# Altium PCB Booster_Main_Board.PcbDoc (part 7 of 13)
Units mm, origin at the board's own origin, x right, y up, seen from the top; angles counter-clockwise.
Board outline 400.01 x 117.51 mm, 4 copper layers (Component Side, Signal Layer 1, Power Plane, Solder Side), stack 1.604 mm thick; 1091 components, 573 nets, 3133 pads, 1954 vias.
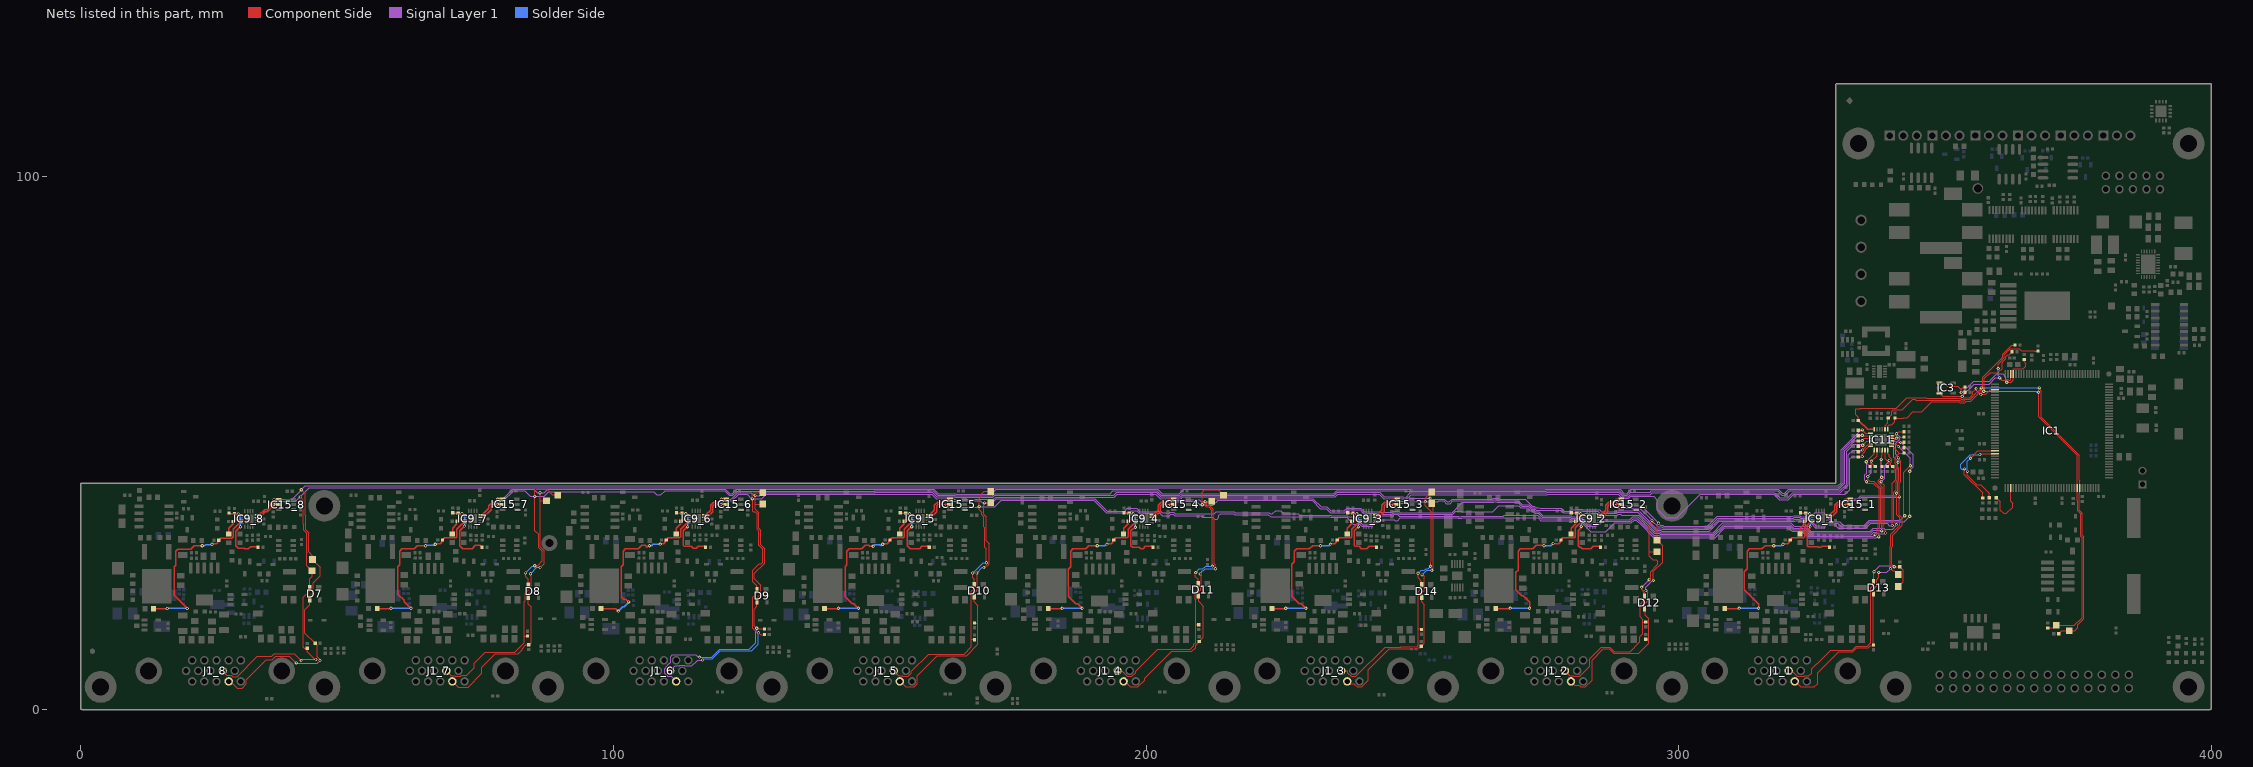
[diagram p9: the nets of this part, all layers, seen from the top]

## Via types
v1: diameter 0.6, hole 0.3, Component Side to Solder Side, tented both sides, 1808 vias
v2: diameter 0.6, hole 0.3, Component Side to Solder Side, 77 vias
v3: diameter 0.5, hole 0.3, Component Side to Solder Side, 40 vias
v4: diameter 1.27, hole 0.711, Component Side to Solder Side, tented both sides, 24 vias
v5: diameter 1.2, hole 0.8, Component Side to Solder Side, tented both sides, 5 vias

## Nets (pads, with @x,y where several pads share a name; then routed paths per layer and width w, separated by ;. In a path a pad name is that pad's centre, name@x,y a point inside that pad or via, vN(x,y) a via of type N, cw(c..) or ccw(c..) an arc to the next point about the centre after c; other vN are vias at no path point) (continued)
I2C0_SCL: C81_8.1 D7.2 IC9_8.3 IC11.2 IC15_8.5 J1_8.9 R63.1 TP3.1 | length 368.8
  Component Side w0.152: J1_8.9@26.623,7.225 27.369,6.479 28.201,6.479 28.483,6.196 29.335,6.196 33.172,10.033 35.89,10.033 36.347,10.49 40.056,10.49 v1(41.351,9.195) ; v1(41.173,39.903) 41.788,39.288 41.788,34.746 41.884,34.65 41.884,33.63 42.452,33.061 42.452,29.49 42.463,29.479 42.463,26.992 TP3.1@43.42,26.035 43.42,25.008 42.967,24.554 D7.2@42.967,22.892 42.967,22.292 41.774,21.1 41.774,11.708 41.969,11.513 C81_8.1@42.52,11.513 42.52,10.82 43.942,9.398 v1(44.145,9.398) ; R63.1@333.689,51.407 334.337,51.407 v1(334.442,51.511) 334.546,51.407 IC11.2@336.019,51.407
  Component Side w0.254: IC9_8.3@33.047,36.035 33.571,36.035 34.666,37.13 35.047,37.13 36.22,38.303 v1(36.22,38.527) 37.133,38.527 IC15_8.5@37.176,38.484
  Signal Layer 1 w0.152: v1(36.22,38.527) 36.823,39.129 40.373,39.129 42.914,41.671 329.97,41.671 330.886,42.587 330.886,48.731 333.666,51.511 v1(334.442,51.511) ; v1(41.351,9.195) 41.554,9.398 v1(44.145,9.398)
I2C0_SDA: C80_8.1 D7.3 IC9_8.4 IC11.1 IC15_8.4 J1_8.4 R61.1 TP2.1 | length 373.1
  Component Side w0.152: J1_8.4@27.272,5.245 J1_8.4@27.518,5.491 ; J1_8.4@27.764,5.245 28.162,5.245 29.403,4.004 30.264,4.004 31.079,4.819 31.079,5.628 34.811,9.36 35.97,9.36 36.593,9.983 39.116,9.983 40.335,8.763 v1(40.462,8.763) ; v1(41.402,41.25) 42.111,40.54 42.111,36.451 42.189,36.373 42.189,34.777 42.189,33.756 42.757,33.188 42.757,29.616 43.489,28.884 TP2.1@43.489,28.157 44.977,26.669 44.977,25.109 43.663,23.794 43.663,21.92 42.967,21.224 D7.3@42.967,20.592 42.967,19.663 42.079,18.776 42.079,14.334 43.971,12.442 44.364,12.049 44.364,9.927 44.907,9.384 v1(44.907,9.195) ; R61.1@333.689,52.407 334.347,52.407 v1(334.442,52.502) 335.037,51.907 IC11.1@336.019,51.907
  Component Side w0.254: IC9_8.4@33.047,36.535 33.496,36.535 34.498,37.536 34.879,37.536 35.641,38.299 35.641,38.767 36.266,39.392 v1(36.266,39.434) IC15_8.4@37.176,39.434
  Signal Layer 1 w0.152: v1(36.266,39.434) 39.656,39.434 41.402,41.18 v1(41.402,41.25) 42.128,41.975 329.844,41.975 330.479,42.611 330.479,48.755 334.226,52.502 v1(334.442,52.502) ; v1(40.462,8.763) 40.462,8.687 40.483,8.666 44.379,8.666 v1(44.907,9.195)
I2C1_SCL: C81_7.1 D8.2 IC9_7.3 IC11.4 IC15_7.5 J1_7.9 R65.1 TP7.1 | length 332.8
  Component Side w0.152: J1_7.9@68.623,7.254 69.575,6.303 70.19,6.303 70.267,6.225 71.335,6.225 71.565,6.455 72.479,6.455 73.84,7.816 73.84,8.712 75.902,10.774 81.488,10.774 83.261,12.548 83.261,13.894 ; v1(83.49,25.654) 83.49,24.968 84.013,24.445 D8.2@84.013,23.324 84.013,22.372 83.484,21.844 83.484,20.43 83.261,20.206 83.261,13.894 ; C81_7.1@83.845,13.799 83.356,13.799 83.261,13.894 ; v1(85.217,27) 85.241,27.024 85.746,27.024 86.657,27.935 86.657,29.7 85.945,30.412 85.945,32.881 85.217,33.609 v1(85.217,40.005) 85.217,41.041 85.558,41.383 87.459,41.383 88.491,40.351 TP7.1@89.228,40.351 ; R65.1@333.689,49.407 334.318,49.407 v1(334.543,49.632) 335.318,50.407 IC11.4@336.019,50.407
  Component Side w0.254: IC9_7.3@75.047,36.064 75.571,36.064 77.038,37.531 77.038,38.135 77.459,38.556 v1(78.207,38.556) 79.133,38.556 IC15_7.5@79.176,38.513
  Signal Layer 1 w0.152: v1(78.207,38.556) 78.809,39.158 79.351,39.158 81.254,41.061 83.374,41.061 84.379,40.056 87.02,40.056 87.828,40.864 107.537,40.864 108.112,40.289 108.906,40.289 109.677,41.061 120.879,41.061 121.727,40.213 122.418,40.213 123.226,41.021 149.015,41.021 149.055,41.061 160.016,41.061 160.86,40.217 164.091,40.217 164.187,40.121 171.085,40.121 171.473,40.508 193.223,40.508 193.776,41.061 202.016,41.061 202.86,40.217 206.344,40.217 206.661,40.534 235.235,40.534 235.762,41.061 248.526,41.061 248.618,40.969 249.089,40.969 249.092,40.965 275.08,40.965 275.175,41.061 288.86,41.061 289.679,40.242 290.369,40.242 290.945,40.818 294.63,40.818 294.853,41.042 318.561,41.042 319.339,40.264 320.03,40.264 320.807,41.042 330.203,41.042 331.495,42.334 331.495,48.478 332.827,49.809 334.518,49.809 334.543,49.784 v1(334.543,49.632)
  Solder Side w0.152: v1(83.49,25.654) 84.734,26.899 85.217,26.899 v1(85.217,27)
I2C1_SDA: C80_7.1 D8.3 IC9_7.4 IC11.3 IC15_7.4 J1_7.4 R64.1 TP6.1 | length 327.7
  Component Side w0.152: J1_7.4@69.764,5.274 70.834,4.204 72.728,4.204 75.315,6.79 75.315,7.893 77.851,10.429 82.108,10.429 82.86,11.181 82.86,11.446 83.573,12.159 C80_7.1@84.125,12.159 84.542,12.576 84.542,19.253 84.013,19.782 D8.3@84.013,21.024 84.013,21.783 84.542,22.312 84.542,25.39 v1(84.43,25.502) ; v1(86.208,40.691) 86.233,40.665 86.233,39.154 ; v1(86.233,26.67) 86.961,27.398 86.961,29.826 86.25,30.538 86.25,33.007 86.233,33.024 86.233,39.154 ; TP6.1@87.428,39.199 86.278,39.199 86.233,39.154 ; R64.1@333.689,50.407 334.353,50.407 v1(334.442,50.495) 334.853,50.907 IC11.3@336.019,50.907
  Component Side w0.254: IC9_7.4@75.047,36.564 75.367,36.564 76.632,37.829 76.632,38.303 77.291,38.962 77.765,38.962 v1(78.266,39.463) IC15_7.4@79.176,39.463
  Signal Layer 1 w0.152: v1(78.266,39.463) 79.225,39.463 81.128,41.366 85.025,41.366 85.7,40.691 v1(86.208,40.691) 86.995,40.691 87.67,41.366 121.005,41.366 121.853,40.518 122.291,40.518 123.139,41.366 160.142,41.366 160.986,40.521 164.217,40.521 164.313,40.425 170.959,40.425 171.88,41.346 191.637,41.346 191.656,41.366 202.142,41.366 202.986,40.521 206.217,40.521 207.047,41.351 233.618,41.351 233.633,41.366 249.588,41.366 249.68,41.274 274.957,41.274 275.049,41.366 288.986,41.366 289.805,40.547 290.243,40.547 291.042,41.346 318.688,41.346 319.465,40.569 319.903,40.569 320.681,41.346 330.077,41.346 331.191,42.46 331.191,48.604 333.082,50.495 v1(334.442,50.495)
  Solder Side w0.152: v1(84.43,25.502) 84.466,25.502 85.634,26.67 v1(86.233,26.67)
I2C2_SCL: C81_6.1 D9.2 IC9_6.3 IC11.6 IC15_6.5 J1_6.9 R70.1 TP9.1 | length 293.2
  Component Side w0.152: TP9.1@128.016,40.716 127.995,40.737 126.323,40.737 126.06,40.474 v1(126.06,39.548) 126.173,39.435 126.173,37.194 126.274,37.093 126.637,37.093 126.957,36.773 126.957,33.889 127.254,33.591 127.254,30.888 128.057,30.086 128.057,27.635 127.747,27.325 127.334,27.325 126.145,26.137 126.145,23.995 126.939,23.2 D9.2@126.939,22.511 126.939,21.911 126.145,21.117 126.145,15.271 126.964,14.453 v1(127.229,14.453) 127.61,14.072 C81_6.1@128.353,14.072 ; R70.1@333.689,47.407 333.781,47.498 v1(334.467,47.498) 334.467,47.919 335.047,48.498 335.047,48.738 335.715,49.407 IC11.6@336.019,49.407
  Component Side w0.254: IC9_6.3@117.047,36.064 117.571,36.064 118.666,37.159 118.666,38.207 119.015,38.556 v1(120.193,38.556) 121.133,38.556 IC15_6.5@121.176,38.513
  Signal Layer 1 w0.152: J1_6.9@110.623,7.254 111.575,8.205 112.406,8.205 112.483,8.283 113.335,8.283 113.412,8.205 114.708,8.205 115.799,9.296 v1(116.725,9.296) ; v1(120.193,38.556) 120.795,39.158 122.225,39.158 123.478,40.411 125.095,40.411 125.984,39.522 v1@126.06,39.522 ; v1(126.06,39.548) 127.838,39.548 128.702,40.411 149.267,40.411 149.307,40.451 159.763,40.451 160.607,39.607 163.839,39.607 163.935,39.511 171.338,39.511 171.725,39.899 194.037,39.899 194.59,40.451 201.763,40.451 202.607,39.607 206.596,39.607 206.913,39.924 235.487,39.924 236.015,40.451 243.763,40.451 244.607,39.607 248.054,39.607 248.181,39.48 248.871,39.48 249.748,40.356 275.332,40.356 275.428,40.451 288.607,40.451 289.426,39.632 290.622,39.632 290.989,40 295.299,40 295.997,39.303 295.997,37.609 297.58,36.025 299.651,36.025 304.058,40.432 317.807,40.432 318.869,39.37 320.508,39.37 321.57,40.432 331.283,40.432 332.105,41.254 332.105,47.066 332.537,47.498 v1(334.467,47.498)
  Solder Side w0.152: v1(116.725,9.296) 116.978,9.549 118.562,9.549 120.046,11.033 125.993,11.033 127.229,12.268 v1(127.229,14.453)
I2C2_SDA: C80_6.1 D9.3 IC9_6.4 IC11.5 IC15_6.4 J1_6.4 R68.1 TP8.1 | length 291.4
  Component Side w0.152: v1(126.594,40.208) 126.594,38.554 ; TP8.1@128.028,38.575 126.614,38.575 126.594,38.554 ; C80_6.1@128.353,15.138 127.025,15.138 v1(126.898,15.265) 126.45,15.714 126.45,18.872 126.939,19.362 D9.3@126.939,20.211 126.939,20.919 127.635,21.615 127.635,23.368 126.45,24.553 126.45,25.597 128.361,27.509 128.361,30.212 127.608,30.965 127.608,33.669 127.261,34.015 127.261,36.899 126.594,37.567 126.594,38.554 ; R68.1@333.689,48.407 334.207,48.407 v1(334.518,48.717) 334.518,48.741 335.684,49.907 IC11.5@336.019,49.907
  Component Side w0.254: IC9_6.4@117.047,36.564 117.367,36.564 118.26,37.457 118.26,38.375 118.847,38.962 119.765,38.962 120.266,39.463 v1(120.286,39.463) IC15_6.4@121.176,39.463
  Signal Layer 1 w0.152: J1_6.4@111.764,5.274 110.813,6.225 110.197,6.225 109.595,6.828 109.595,7.68 110.197,8.283 110.197,8.382 110.736,8.92 110.736,9.924 111.074,10.263 115.47,10.263 115.878,9.854 v1(116.128,9.854) ; v1(120.286,39.463) 122.099,39.463 123.352,40.716 125.857,40.716 v1@126.39,40.183 ; v1@126.594,40.183 127.483,40.183 128.016,40.716 149.141,40.716 149.181,40.756 159.889,40.756 160.734,39.912 163.965,39.912 164.061,39.816 171.211,39.816 171.599,40.203 193.911,40.203 194.463,40.756 201.889,40.756 202.734,39.912 206.47,39.912 206.787,40.229 235.361,40.229 235.888,40.756 243.889,40.756 244.734,39.912 248.18,39.912 248.307,39.784 248.745,39.784 249.621,40.661 275.206,40.661 275.301,40.756 288.733,40.756 289.552,39.937 290.495,39.937 290.863,40.305 294.63,40.305 295.061,40.737 317.934,40.737 318.945,39.726 320.433,39.726 321.444,40.737 330.329,40.737 331.8,42.208 331.8,47.803 332.715,48.717 v1(334.518,48.717)
  Solder Side w0.152: v1(116.128,9.854) 118.436,9.854 119.919,11.338 125.536,11.338 126.7,12.502 126.7,14.672 126.898,14.87 v1(126.898,15.265)
I2C2a_SCL: IC1.69 IC3.1 R36.2 R131.1 | length 24.6
  Component Side w0.152: IC3.1@348.923,61.326 349.781,61.326 350.386,60.721 352.359,60.721 353.009,60.071 ; v1(353.009,59.538) 353.009,60.071 ; R36.2@353.758,60.427 353.333,60.427 353.009,60.102 353.009,60.071 ; v1(361.569,61.443) 362.382,61.443 362.803,61.863 IC1.69@362.803,62.999 362.818,63.014 362.818,63.909 362.907,63.999 364.673,63.999 365.167,64.493 365.167,64.955 364.866,65.256 R131.1@364.866,65.748
  Signal Layer 1 w0.152: v1(353.009,59.538) 353.21,59.538 355.348,61.676 358.384,61.676 358.694,61.986 358.694,61.997 359.696,62.999 360.8,62.999 361.417,62.382 361.417,61.595 v1(361.569,61.443)
I2C2a_SDA: IC1.70 IC3.3 R41.2 R130.1 | length 29.6
  Component Side w0.152: IC3.3@348.923,59.426 349.134,59.426 349.358,59.202 349.358,58.992 349.574,58.776 v1(353.212,58.776) 353.212,58.866 353.758,59.412 R41.2@353.758,59.487 ; v1(359.963,63.999) 359.963,64.808 360.736,65.58 360.736,65.645 361.09,65.999 361.09,66.591 362.205,67.706 363.914,67.706 364.262,67.359 366.824,67.359 366.873,67.31 R130.1@367.449,67.31 ; v1(360.248,62.255) 360.68,61.824 361.202,61.824 361.35,61.971 361.788,61.971 361.936,61.824 362.255,61.824 362.303,61.871 IC1.70@362.303,62.999
  Signal Layer 1 w0.152: v1(353.212,58.776) 353.212,58.866 355.459,61.112 358.252,61.112 359.395,62.255 v1(360.248,62.255)
  Solder Side w0.152: v1(359.963,63.999) 359.963,62.662 360.248,62.377 v1(360.248,62.255)
I2C3_SCL: C81_5.1 D10.2 IC9_5.3 IC11.8 IC15_5.5 J1_5.9 R72.1 TP11.1 | length 262.5
  Component Side w0.152: J1_5.9@152.623,7.254 153.575,6.303 154.19,6.303 154.267,6.225 155.335,6.225 155.938,6.828 155.938,7.159 159.205,10.425 165.823,10.425 167.203,11.806 167.203,13.183 ; v1(167.462,25.629) 167.462,24.765 167.731,24.496 D10.2@167.731,23.477 167.731,22.697 167.203,22.169 167.203,13.183 ; C81_5.1@167.792,13.164 167.221,13.164 167.203,13.183 ; v1(170.028,27.554) 170.028,30.173 169.695,30.506 169.695,34.204 169.563,34.336 169.563,36.173 169.123,36.612 169.123,37.077 168.669,37.532 v1(168.669,38.138) 168.669,39.562 169.086,39.979 169.086,40.397 169.643,40.954 TP11.1@170.828,40.954 ; v1(335.478,43.754) 335.478,43.252 335.895,42.835 336.635,42.835 337.922,41.549 337.922,35.036 337.774,34.888 337.774,33.925 337.596,33.747 337.596,32.466 v1(337.541,32.41) ; R72.1@336.91,45.619 336.169,46.36 v1(336.169,46.634) 337.219,47.685 IC11.8@337.219,48.707
  Component Side w0.254: IC9_5.3@159.047,36.064 159.571,36.064 160.666,37.159 160.666,38.207 161.015,38.556 161.666,38.556 161.736,38.486 v1@162.052,38.486 ; 162.286,38.556 163.133,38.556 IC15_5.5@163.176,38.513
  Signal Layer 1 w0.152: v1@162.052,38.413 162.481,37.984 168.394,37.984 168.484,38.075 171.602,38.075 172.817,39.289 190.193,39.289 192.551,36.932 196.992,36.932 197.347,37.286 198.249,37.286 198.671,36.864 202.026,36.864 202.043,36.881 202.598,36.881 203.058,36.421 204.381,36.421 204.662,36.702 205.1,36.702 205.381,36.421 210.283,36.421 210.597,36.107 212.528,36.107 212.909,35.725 213.347,35.725 213.678,36.057 213.678,36.451 214.009,36.783 216.447,36.783 216.636,36.594 222.96,36.594 223.36,36.193 234.498,36.193 234.628,36.063 237.631,36.063 238.876,34.819 240.071,34.819 240.524,34.366 241.442,34.366 241.488,34.412 242.179,34.412 242.182,34.409 242.434,34.409 243.67,35.645 246.59,35.645 246.759,35.475 247.197,35.475 247.683,35.962 258.517,35.962 258.613,35.866 259.303,35.866 259.399,35.962 273.59,35.962 274.073,35.479 279.39,35.479 279.555,35.314 281.511,35.314 283.471,33.355 286.313,33.355 287.994,35.035 291.081,35.035 291.607,35.56 291.959,35.56 291.975,35.544 292.061,35.544 292.925,34.68 292.925,34.654 295.135,32.444 296.093,32.444 296.279,32.258 305.772,32.258 305.797,32.282 306.827,32.282 308.656,34.111 320.687,34.111 321.327,33.471 323.061,33.471 324.3,32.231 337.042,32.231 337.136,32.325 337.455,32.325 v1(337.541,32.41) ; v1(335.478,43.754) 336.169,44.445 v1(336.169,46.634)
  Solder Side w0.152: v1(167.462,25.629) 169.388,27.554 v1(170.028,27.554)
  other v1: 162.052,38.303
I2C3_SDA: C80_5.1 D10.3 IC9_5.4 IC11.7 IC15_5.4 J1_5.4 R71.1 TP10.1 | length 260.8
  Component Side w0.152: J1_5.4@153.272,5.274 J1_5.4@153.764,5.274 153.858,5.274 154.887,4.245 156.476,4.245 157.079,4.848 157.079,6.381 160.819,10.121 166.305,10.121 168.427,12.243 168.427,16.154 ; C80_5.1@167.792,16.198 168.384,16.198 168.427,16.154 ; v1(168.224,25.629) 168.26,25.593 168.26,22.413 167.731,21.885 D10.3@167.731,21.177 167.742,21.166 167.742,20.203 168.427,19.518 168.427,16.154 ; v1(169.545,26.645) 169.926,27.025 170.247,27.025 170.556,27.335 170.556,31.102 170,31.659 170,36.167 169.545,36.622 169.545,38.659 v1(169.672,38.786) 169.697,38.811 TP10.1@170.828,38.811 ; v1(335.228,42.754) 335.452,42.53 336.509,42.53 337.617,41.422 337.617,35.162 337.469,35.015 337.469,34.051 337.291,33.873 337.291,33.228 v1(336.855,32.791) ; R71.1@335.91,45.619 335.204,46.325 v1(335.204,46.533) 336.719,48.048 IC11.7@336.719,48.707
  Component Side w0.254: IC9_5.4@159.047,36.564 159.367,36.564 160.26,37.457 160.26,38.375 160.847,38.962 v1@161.765,38.962 ; v1(161.976,39.065) 161.976,39.167 161.973,39.17 162.266,39.463 IC15_5.4@163.176,39.463
  Signal Layer 1 w0.152: v1(161.976,39.065) 165.413,39.065 165.554,39.206 168.871,39.206 169.266,38.811 169.672,38.811 171.069,38.811 171.852,39.594 190.352,39.594 192.71,37.236 195.986,37.236 196.494,37.744 198.222,37.744 198.797,37.169 201.899,37.169 201.916,37.186 202.724,37.186 203.011,36.898 203.728,36.898 203.901,36.725 204.254,36.725 204.536,37.007 205.226,37.007 205.507,36.725 210.409,36.725 212.818,36.725 213.18,37.087 216.573,37.087 216.762,36.898 223.086,36.898 223.259,36.725 223.725,36.725 224.323,37.324 225.242,37.324 225.812,36.754 228.54,36.754 228.795,36.498 234.625,36.498 234.755,36.368 237.758,36.368 237.897,36.229 239.092,36.229 240.65,34.671 241.316,34.671 241.362,34.717 242.305,34.717 242.308,34.714 243.224,35.629 243.224,35.789 243.829,36.394 246.354,36.394 246.604,36.644 247.157,36.644 247.535,36.266 258.643,36.266 258.739,36.171 259.177,36.171 259.273,36.266 267.025,36.266 267.208,36.449 273.534,36.449 274.199,35.784 279.517,35.784 279.681,35.619 281.637,35.619 282.111,35.146 282.865,34.392 284.469,34.392 284.794,34.717 285.059,34.717 285.681,35.34 290.955,35.34 291.48,35.865 292.085,35.865 292.102,35.849 292.187,35.849 293.23,34.806 293.23,34.78 295.261,32.749 296.219,32.749 296.381,32.587 306.701,32.587 308.529,34.416 320.813,34.416 321.453,33.776 323.187,33.776 324.427,32.536 336.478,32.536 336.734,32.791 v1(336.855,32.791) ; v1(335.204,46.533) 335.275,46.461 335.275,44.383 334.949,44.057 334.949,43.033 v1(335.228,42.754)
  Solder Side w0.152: v1(168.224,25.629) 169.266,26.67 169.291,26.645 v1(169.545,26.645)
I2C4_SCL: C81_4.1 D11.2 IC9_4.3 IC11.11 IC15_4.5 J1_4.9 R74.1 TP13.1 | length 223.5
  Component Side w0.152: J1_4.9@194.623,7.254 194.689,7.188 195.52,7.188 196.483,6.225 197.335,6.225 198.062,6.952 198.062,7.188 202.176,11.303 208.28,11.303 208.978,12.002 208.978,12.211 209.321,12.554 209.321,15.977 ; v1(209.321,25.705) 209.265,25.649 209.265,24.974 209.794,24.445 D11.2@209.794,23.604 209.794,22.55 209.265,22.022 209.265,20.709 209.321,20.653 209.321,15.977 ; C81_4.1@209.88,15.944 209.354,15.944 209.321,15.977 ; v1@210.528,38.532 210.528,40.832 210.923,41.227 213.535,41.227 TP13.1@214.228,40.534 ; v1@210.689,38.615 211.271,38.033 211.713,38.033 212.294,37.451 212.294,35.909 212.446,35.758 v1(212.446,26.924) ; v1@337.922,42.978 337.885,42.978 337.754,42.847 338.531,42.07 338.531,34.784 338.384,34.636 338.384,34.057 338.811,33.63 v1(338.811,33.147) ; IC11.11@338.719,48.707 338.719,47.107 339.16,46.666 339.249,46.754 v1(339.478,46.754) 339.478,45.936 R74.1@339.16,45.619
  Component Side w0.254: IC9_4.3@201.047,36.064 201.571,36.064 201.648,36.141 201.648,36.244 202.238,36.833 202.341,36.833 202.666,37.159 202.666,38.207 203.015,38.556 203.652,38.556 203.905,38.303 v1(204.191,38.303) 204.443,38.556 205.133,38.556 IC15_4.5@205.176,38.513
  Signal Layer 1 w0.152: v1@204.202,38.486 204.424,38.486 204.936,38.997 206.849,38.997 206.934,39.083 209.406,39.083 210.034,38.454 v1(210.528,38.454) 211.078,38.454 211.203,38.329 212.547,38.329 213.533,39.314 231.154,39.314 232.738,37.73 233.823,37.73 234.563,36.991 237.32,36.991 237.845,37.516 240.158,37.516 240.81,36.864 243.773,36.864 243.938,36.699 246.228,36.699 246.478,36.949 247.283,36.949 247.562,36.671 257.553,36.671 258.11,37.228 259.177,37.228 259.236,37.169 265.046,37.169 266.176,38.298 269.921,38.298 270.369,37.851 271.588,37.851 272.16,37.279 272.526,37.279 272.966,36.84 273.575,36.84 274.326,36.089 279.643,36.089 279.807,35.924 281.763,35.924 282.991,34.696 284.343,34.696 284.668,35.022 284.932,35.022 285.555,35.645 290.829,35.645 291.354,36.17 292.212,36.17 292.228,36.154 292.313,36.154 293.535,34.932 293.535,34.906 295.387,33.054 296.345,33.054 296.507,32.892 306.574,32.892 308.403,34.721 320.94,34.721 321.579,34.081 323.364,34.081 323.525,33.92 323.525,33.869 324.553,32.841 336.157,32.841 336.636,33.32 337.074,33.32 337.394,32.999 338.663,32.999 v1(338.811,33.147) ; v1(337.978,42.754) 338.015,42.754 338.653,43.393 338.653,45.772 339.478,46.597 v1(339.478,46.754)
  Solder Side w0.152: v1(209.321,25.705) 210.002,26.385 210.637,26.385 211.176,26.924 v1(212.446,26.924)
I2C4_SDA: C80_4.1 D11.3 IC9_4.4 IC11.10 IC15_4.4 J1_4.4 R73.1 TP12.1 | length 216.5
  Component Side w0.152: J1_4.4@195.272,5.274 J1_4.4@195.764,5.274 195.983,5.274 197.012,4.245 198.476,4.245 199.732,5.501 199.732,5.879 204.8,10.947 208.585,10.947 209.283,11.646 209.283,12.085 C80_4.1@209.956,12.758 210,12.758 210.769,13.528 210.769,19.431 209.906,20.295 209.906,21.192 D11.3@209.794,21.304 209.794,22.004 210.244,22.454 210.244,22.781 210.322,22.86 210.322,25.114 210.21,25.226 210.21,25.371 v1(210.128,25.454) ; TP12.1@212.339,39.09 212.263,39.014 v1(211.074,39.014) 211.074,38.893 211.375,38.592 211.375,38.46 211.498,38.337 211.839,38.337 212.599,37.577 212.599,36.035 212.75,35.884 212.75,27.367 212.974,27.143 212.974,26.705 212.95,26.68 212.95,26.496 v1(213.03,26.416) ; v1(338.125,33.528) 338.079,33.574 338.079,34.762 338.226,34.91 338.226,41.758 337.45,42.535 337.45,42.973 337.759,43.283 337.796,43.283 v1(338.125,43.612) ; R73.1@338.16,45.619 338.219,45.677 337.947,45.95 337.998,46 v1(337.998,46.965) 338.098,47.065 338.098,47.701 338.219,47.823 IC11.10@338.219,48.707
  Component Side w0.254: IC9_4.4@201.047,36.564 201.367,36.564 202.26,37.457 202.26,38.375 202.847,38.962 v1@203.765,38.962 ; v1(203.962,39.065) 203.962,39.159 204.266,39.463 IC15_4.4@205.176,39.463
  Signal Layer 1 w0.152: v1(203.962,39.065) 204.199,39.302 206.722,39.302 206.807,39.387 210.015,39.387 210.363,39.04 v1@210.82,39.04 ; v1@211.074,39.04 212.044,39.04 212.623,39.619 231.28,39.619 232.864,38.035 233.95,38.035 234.689,37.296 237.194,37.296 237.719,37.821 240.284,37.821 240.936,37.169 243.899,37.169 244.064,37.004 246.102,37.004 246.352,37.254 247.41,37.254 247.688,36.975 257.427,36.975 259.346,38.894 265.248,38.894 265.389,39.035 265.827,39.035 265.967,38.894 269.756,38.894 270.495,38.156 271.714,38.156 272.286,37.584 272.652,37.584 273.092,37.144 273.701,37.144 274.452,36.393 279.769,36.393 279.934,36.229 281.785,36.229 282.094,36.538 282.094,36.603 282.385,36.894 284.695,36.894 285.09,36.5 288.46,36.5 288.662,36.702 289.1,36.702 289.327,36.475 292.338,36.475 292.354,36.458 292.462,36.458 293.839,35.081 293.839,35.032 295.514,33.358 296.472,33.358 296.633,33.197 306.448,33.197 308.277,35.025 321.066,35.025 321.706,34.386 323.49,34.386 323.829,34.046 323.829,33.996 324.679,33.146 336.031,33.146 336.51,33.625 338.028,33.625 v1(338.125,33.528) ; v1(337.998,46.965) 337.998,43.739 v1(338.125,43.612)
  Solder Side w0.152: v1(210.128,25.454) 210.128,25.575 210.429,25.876 210.429,25.949 210.56,26.08 210.764,26.08 211.079,26.395 212.665,26.395 212.685,26.416 v1(213.03,26.416)
I2C5_SCL: C81_3.1 D14.2 IC9_3.3 IC11.13 IC15_3.5 J1_3.9 R76.1 TP15.1 | length 174.5
  Component Side w0.152: J1_3.9@236.623,7.254 237.862,7.254 237.881,7.236 237.881,6.828 238.483,6.225 239.335,6.225 244.849,11.74 247.79,11.74 247.825,11.774 250.766,11.774 251.074,12.083 251.074,15.138 ; v1(251.045,25.603) 251.045,24.698 251.663,24.079 251.663,23.4 251.663,22.734 251.074,22.145 251.074,15.138 ; C81_3.1@251.689,15.03 251.58,15.138 251.074,15.138 ; v1(253.418,26.909) 253.418,27.656 253.576,27.815 253.576,37.135 252.425,38.286 v1(252.425,39.042) 252.425,39.678 253.565,40.818 TP15.1@253.628,40.818 TP15.1@253.963,40.818 ; IC11.13@339.919,49.407 340.153,49.407 341.403,48.157 ; v1(340.868,34.722) 340.365,35.225 340.365,40.808 340.783,41.226 340.783,42.796 341.033,43.046 341.033,45.16 340.783,45.41 340.783,45.997 340.619,46.161 340.619,47.372 341.403,48.157 ; R76.1@342.249,48.157 341.403,48.157
  Component Side w0.254: IC9_3.3@243.047,36.064 243.571,36.064 244.666,37.159 244.666,38.207 245.015,38.556 245.74,38.556 v1@245.81,38.486 ; v1(246.024,38.303) 246.107,38.303 246.36,38.556 247.133,38.556 IC15_3.5@247.176,38.513
  Signal Layer 1 w0.152: v1(246.024,38.303) 246.035,38.303 246.493,38.76 249.014,38.76 249.295,39.042 v1(252.425,39.042) 254.737,39.042 254.894,39.199 255.854,39.199 256.383,38.671 257.073,38.671 257.602,39.199 265.122,39.199 265.263,39.34 265.953,39.34 266.094,39.199 269.882,39.199 270.621,38.46 271.841,38.46 272.412,37.889 272.778,37.889 273.218,37.449 277.852,37.449 278.352,36.949 281.01,36.949 281.347,37.286 281.785,37.286 281.871,37.199 284.821,37.199 285.157,36.864 288.393,36.864 288.536,37.007 292.345,37.007 294.144,35.207 294.144,35.159 295.64,33.663 296.598,33.663 296.76,33.501 305.766,33.501 307.576,35.311 308.131,35.311 308.151,35.33 321.806,35.33 321.929,35.454 322.367,35.454 322.515,35.306 323.127,35.306 324.134,34.299 324.134,34.122 324.805,33.451 335.904,33.451 336.51,34.057 338.525,34.057 338.693,33.888 340.198,33.888 340.868,34.558 v1(340.868,34.722)
  Solder Side w0.152: v1(251.045,25.603) 251.155,25.603 251.667,26.114 252.241,26.114 252.588,26.461 252.97,26.461 v1(253.418,26.909)
I2C5_SDA: C80_3.1 D14.3 IC9_3.4 IC11.12 IC15_3.4 J1_3.4 R75.1 TP14.1 | length 170.9
  Component Side w0.152: J1_3.4@237.764,5.274 238.19,4.848 239.022,4.848 239.624,4.245 240.476,4.245 241.732,5.501 241.732,7.442 245.664,11.374 250.797,11.374 251.058,11.635 251.473,11.635 251.685,11.847 251.685,11.891 252.025,12.23 252.068,12.23 252.258,12.42 252.258,19.7 251.729,20.229 D14.3@251.729,21.1 251.729,21.8 252.258,22.329 252.258,25.009 251.892,25.375 v1(251.79,25.273) ; v1(253.314,39.67) 253.314,38.735 253.337,38.735 253.946,38.125 253.946,26.489 v1@253.637,26.179 ; IC11.12@339.219,48.707 339.219,48.004 339.478,47.745 339.478,47.502 340.007,46.973 340.007,46.535 339.783,46.311 339.783,45.892 340.478,45.197 340.565,45.197 340.728,45.034 340.728,43.172 340.06,42.504 340.06,34.59 v1(340.106,34.544)
  Component Side w0.254: IC9_3.4@243.047,36.564 243.367,36.564 244.26,37.457 244.26,38.375 244.847,38.962 245.765,38.962 v1@245.921,39.118 ; v1(246.05,39.065) 245.974,39.065 v1@245.921,39.118 ; IC15_3.4@247.176,39.463 246.266,39.463 v1@245.921,39.118
  Signal Layer 1 w0.152: v1(246.05,39.065) 248.888,39.065 249.493,39.67 v1(253.314,39.67) 253.48,39.504 255.981,39.504 256.509,38.975 256.947,38.975 257.476,39.504 264.996,39.504 265.136,39.645 266.079,39.645 266.22,39.504 270.608,39.504 270.621,39.518 271.215,39.518 272.538,38.194 272.905,38.194 273.214,37.884 273.823,37.884 273.953,37.754 277.978,37.754 278.478,37.254 279.478,37.254 279.728,37.504 281.134,37.504 281.22,37.591 281.911,37.591 281.998,37.504 285.126,37.504 285.461,37.169 288.267,37.169 288.409,37.311 292.471,37.311 294.449,35.334 294.449,35.285 295.766,33.968 296.724,33.968 296.886,33.806 305.64,33.806 307.469,35.635 321.68,35.635 321.803,35.758 322.493,35.758 322.641,35.611 324.191,35.611 324.934,34.868 324.934,34.843 325.601,34.176 327.303,34.176 327.802,34.674 329.308,34.674 329.985,33.997 335.066,33.997 336.015,34.946 339.131,34.946 339.533,34.544 v1(340.106,34.544)
  Solder Side w0.152: v1(251.79,25.273) 251.831,25.273 252.715,26.156 v1(253.659,26.156)
I2C6_SCL: C81_2.1 D12.2 IC9_2.3 IC11.15 IC15_2.5 J1_2.9 R78.1 TP18.1 | length 130.1
  Component Side w0.152: J1_2.9@278.623,7.254 279.575,6.303 280.19,6.303 280.267,6.225 281.4,6.225 283.278,8.104 283.278,9.499 285.463,11.684 287.087,11.684 287.925,10.846 290.847,10.846 292.72,12.719 292.704,12.734 292.704,13.676 293.263,14.235 293.263,15.931 293.268,15.936 293.268,16.408 ; v1(293.045,22.985) 293.045,22.601 293.299,22.347 293.299,22.135 293.538,21.896 D12.2@293.538,21.241 293.538,20.578 292.728,19.768 292.728,17.444 293.268,16.904 293.268,16.408 ; C81_2.1@293.802,16.427 293.287,16.427 293.268,16.408 ; v1(294.428,24.354) 294.75,24.676 294.75,25.896 296.096,27.242 296.096,27.793 295.787,28.103 295.147,28.103 294.482,28.768 294.482,29.607 ; v1(294.978,35.504) 294.978,35.059 294.482,34.564 294.482,29.607 ; TP18.1@295.898,29.639 294.514,29.639 294.482,29.607 ; IC11.15@339.919,50.407 340.982,50.407 341.232,50.157 v1(341.655,50.157) R78.1@342.249,50.157 ; v1(343.357,36.297) v1(343.357,44.754)
  Component Side w0.254: IC9_2.3@285.047,36.064 285.571,36.064 286.666,37.159 286.666,38.207 287.015,38.556 287.65,38.556 287.72,38.486 ; v1(287.985,38.313) 288.027,38.313 288.27,38.556 289.133,38.556 IC15_2.5@289.176,38.513
  Signal Layer 1 w0.152: v1(287.985,38.313) 288.503,37.795 292.686,37.795 v1(294.978,35.504) ; v1(293.045,22.985) 294.414,24.354 v1(294.428,24.354) ; v1@294.958,35.485 296.17,34.273 296.85,34.273 297.012,34.111 305.514,34.111 307.343,35.94 321.553,35.94 321.677,36.063 322.62,36.063 322.767,35.916 324.317,35.916 325.239,34.994 325.239,34.969 325.727,34.481 327.177,34.481 327.616,34.919 327.675,34.979 329.841,34.979 330.519,34.301 334.939,34.301 335.888,35.25 342.311,35.25 v1(343.357,36.297) ; v1(341.655,50.157) 344.007,47.805 344.007,45.535 343.357,44.885 v1(343.357,44.754)
I2C6_SDA: C80_2.1 D12.3 IC9_2.4 IC11.14 IC15_2.4 J1_2.4 R77.1 TP17.1 | length 129.1
  Component Side w0.152: J1_2.4@279.764,5.274 280.488,4.55 281.319,4.55 281.624,4.245 282.476,4.245 283.732,5.501 283.732,9.258 285.853,11.379 286.961,11.379 287.799,10.541 292.481,10.541 294.361,12.421 294.361,13.183 ; C80_2.1@293.802,13.19 294.353,13.19 294.361,13.183 ; v1(293.828,22.354) 294.183,21.999 294.183,20.396 293.538,19.751 D12.3@293.538,18.941 293.675,18.804 293.675,17.729 294.361,17.043 294.361,13.183 ; v1(295.228,24.254) 295.228,25.943 296.963,27.678 296.963,30.712 TP17.1@295.914,31.761 295.914,34.726 v1(296.189,35.001) ; IC11.14@339.919,49.907 340.72,49.907 v1(341.236,49.39) 341.47,49.157 R77.1@342.249,49.157 ; v1(342.417,36.373) 342.27,36.52 342.27,44.546 v1(343.478,45.754)
  Component Side w0.254: IC9_2.4@285.047,36.564 285.367,36.564 286.26,37.457 286.26,38.375 286.847,38.962 287.765,38.962 288.266,39.463 IC15_2.4@289.176,39.463
  Signal Layer 1 w0.152: v1@287.969,39.167 288.884,38.252 292.977,38.252 296.189,35.04 v1(296.189,35.001) ; v1(293.828,22.354) 293.828,22.961 295.12,24.254 v1(295.228,24.254) ; 296.375,34.739 296.537,34.578 296.977,34.578 297.138,34.416 305.388,34.416 307.216,36.245 321.427,36.245 321.55,36.368 322.746,36.368 322.894,36.22 324.866,36.22 325.552,36.906 327.228,36.906 328.85,35.284 330.247,35.284 330.925,34.606 334.813,34.606 335.762,35.555 341.6,35.555 v1(342.417,36.373) ; v1(341.236,49.39) 343.478,47.148 v1(343.478,45.754)
  other v1: 287.96,39.065
I2C7_SCL: C81_1.1 D13.2 IC9_1.3 IC11.17 IC15_1.5 J1_1.9 R80.1 TP20.1 | length 89.3
  Component Side w0.152: J1_1.9@320.623,7.254 321.239,7.254 322.267,6.225 323.547,6.225 323.624,6.303 324.412,6.303 324.938,6.828 324.938,7.639 325.928,8.629 326.044,8.629 328.54,11.125 332.561,11.125 333.323,11.887 335.418,11.887 336.037,12.506 336.037,12.534 ; 336.037,12.534 336.037,12.944 336.028,12.954 336.028,22.835 336.565,23.372 D13.2@336.565,23.942 ; D13.2@336.565,23.985 D13.2@336.565,23.942 ; v1(336.652,25.883) 336.601,25.832 336.601,23.978 D13.2@336.565,23.942 ; IC11.17@339.919,51.407 340.509,51.407 341.259,52.157 R80.1@342.249,52.157 ; TP20.1@341.203,23.089 342.138,24.024 342.138,26.153 C81_1.1@341.482,26.808 340.476,26.808 v1(340.462,26.822) 339.984,27.3 339.984,30.515 340.129,30.66 340.129,32.752 341.96,34.583 341.96,35.966 341.427,36.5 v1(341.427,39.929) 341.427,42.578 341.643,42.793 341.643,45.413 341.701,45.472 341.701,46.65 341.249,47.103 v1(341.249,47.244)
  Component Side w0.254: IC9_1.3@328.047,36.064 328.571,36.064 329.087,36.58 329.087,36.587 329.666,37.166 329.666,38.207 330.015,38.556 330.728,38.556 330.798,38.486 v1@331.14,38.486 ; v1(331.14,38.303) v1@331.14,38.486 ; IC15_1.5@332.176,38.513 332.133,38.556 331.348,38.556 331.278,38.486 v1@331.14,38.486
  Signal Layer 1 w0.152: v1@331.114,38.303 332.075,39.264 333.684,39.264 334.262,39.842 341.34,39.842 v1(341.427,39.929) ; v1(336.652,25.883) 337.764,26.995 340.289,26.995 v1(340.462,26.822) ; v1(340.868,51.791) 341.478,51.181 341.478,50.927 ; v1(341.249,47.244) 341.249,47.346 340.708,47.887 340.708,49.994 341.447,50.733 341.447,50.927
  Signal Layer 1 w0.254: v1@331.114,38.303 v1(331.14,38.303)
I2C7_SDA: C80_1.1 D13.3 IC9_1.4 IC11.16 IC15_1.4 J1_1.4 R79.1 TP19.1 | length 83.5
  Component Side w0.152: J1_1.4@321.764,5.274 321.9,5.274 322.928,4.245 325.476,4.245 326.079,4.848 326.079,6.902 329.997,10.82 332.688,10.82 333.45,11.582 335.544,11.582 335.956,11.994 336.44,11.994 C80_1.1@336.575,12.129 336.504,12.201 336.504,14.515 336.479,14.541 336.479,21.598 D13.3@336.565,21.685 336.565,22.647 337.16,23.241 337.16,24.409 337.541,24.79 v1(337.541,25.756) ; IC11.16@339.919,50.907 v1@340.919,50.907 ; v1@340.975,50.907 341.225,51.157 R79.1@342.249,51.157 ; v1(341.173,46.431) 341.122,46.38 341.122,45.502 341.338,45.287 341.338,42.92 341.122,42.704 341.122,40.818 v1(340.893,40.589) 340.893,36.602 341.528,35.967 341.528,34.582 339.825,32.879 339.825,30.787 339.679,30.641 339.679,26.538 v1(339.75,26.467) 340.163,26.054 340.492,26.054 TP19.1@341.203,25.343
  Component Side w0.254: IC9_1.4@328.047,36.564 328.367,36.564 329.26,37.457 329.26,38.375 329.847,38.962 v1@330.765,38.962 ; v1(331.038,39.065) 331.038,39.116 330.978,39.176 331.266,39.463 IC15_1.4@332.176,39.463
  Signal Layer 1 w0.152: v1(331.038,39.065) 331.541,39.568 333.558,39.568 334.136,40.147 340.806,40.147 340.893,40.234 v1(340.893,40.589) ; v1(337.541,25.756) 339.039,25.756 v1(339.75,26.467) ; v1(340.919,50.952) 340.403,50.437 340.403,47.343 341.162,46.584 341.286,46.584 341.173,46.47 v1(341.173,46.431)
I2C_SCL: IC1.136 IC11.19 R62.2 R126.1 R129.1 TP5.1 | length 95.9
  Component Side w0.152: IC11.19@339.219,52.607 339.219,53.139 339.522,53.442 340.03,53.442 340.589,54 R62.2@340.589,54.699 342.125,54.699 342.202,54.775 342.862,54.775 343.967,55.88 345.643,55.88 347.53,57.767 352.612,57.767 352.741,57.637 353.684,57.637 353.954,57.907 354.844,57.907 355.255,58.319 355.359,58.423 356.199,59.263 356.199,59.373 356.509,59.682 357.142,59.682 v1@357.238,59.779 ; v1(357.251,59.766) 357.378,59.893 357.378,62.165 358.44,63.226 359.853,63.226 360.096,63.47 360.182,63.47 360.684,63.972 360.684,65.097 361.04,65.454 361.04,65.519 361.395,65.873 361.395,66.243 361.74,66.589 362.03,66.589 362.59,67.148 R129.1@362.59,67.168 ; v1(367.563,59.563) 367.563,54.941 374.803,47.702 IC1.136@374.803,41.599 374.803,39.238 374.884,39.157 374.884,37.923 374.874,37.913 374.874,37.314 375.442,36.746 375.442,32.551 375.712,32.281 375.712,17.238 374.291,15.817 TP5.1@370.888,15.817 370.4,15.329 R126.1@369.278,15.329
  Solder Side w0.152: v1@357.226,59.792 366.994,59.792 367.222,59.563 v1(367.563,59.563)
I2C_SDA: IC1.137 IC11.20 R60.2 R127.1 R128.1 TP4.1 | length 98.7
  Component Side w0.152: IC11.20@338.719,52.607 338.719,53.325 339.217,53.823 339.217,54.699 R60.2@339.344,54.699 340.03,55.385 340.03,56.003 340.288,56.261 341.949,56.261 343.926,58.237 344.364,58.237 344.53,58.071 352.738,58.071 352.867,57.942 353.558,57.942 353.827,58.212 354.717,58.212 355.519,59.014 355.519,59.124 356.382,59.987 ; v1(356.794,60.376) 356.771,60.376 356.382,59.987 ; R128.1@363.131,68.429 362.496,68.429 360.785,66.718 360.785,66.126 357.032,62.372 357.032,60.295 356.725,59.987 356.382,59.987 ; v1(367.665,60.376) 367.665,60.209 368.092,59.782 368.092,54.843 375.214,47.722 375.214,43.054 375.303,42.965 IC1.137@375.303,41.599 375.303,40.632 375.189,40.518 375.189,37.797 375.179,37.787 375.179,37.44 375.747,36.872 375.747,32.71 376.017,32.441 376.017,17.043 374.887,15.913 374.887,15.362 374.307,14.783 TP4.1@373.292,14.783 371.877,14.783 371.34,14.245 R127.1@371.34,14.225
  Solder Side w0.152: v1(356.794,60.376) v1(367.665,60.376)
I2C_SW_RSTn: IC1.75 IC11.24 R105.1 | length 35.5
  Component Side w0.152: R105.1@333.698,54.254 333.698,54.884 333.217,55.366 333.217,56.444 333.287,56.515 334.045,56.515 334.095,56.566 340.84,56.566 342.816,58.542 346.433,58.542 346.561,58.414 352.827,58.414 352.993,58.247 353.431,58.247 353.701,58.517 354.591,58.517 354.928,58.854 354.928,58.859 355.214,59.145 355.214,59.64 v1(355.828,60.254) ; v1(356.728,59.154) 357.59,59.154 358.485,60.049 IC1.75@359.353,60.049
  Component Side w0.254: R105.1@333.698,54.254 333.828,54.254 335.476,52.607 IC11.24@336.719,52.607
  Signal Layer 1 w0.152: v1(355.828,60.254) 355.828,59.954 356.629,59.153 v1@356.787,59.153 ; v1(356.728,59.154) v1@356.787,59.154
LED1: IC1.98 R101.1 | length 14.9
  Component Side w0.152: v1(354.203,44.704) 354.203,43.956 355.914,42.245 356.687,42.245 358.292,40.64 R101.1@358.292,39.764 ; v1(354.787,47.168) 356.168,48.549 IC1.98@359.353,48.549
  Solder Side w0.152: v1(354.203,44.704) 354.203,46.584 v1(354.787,47.168)
LED2: IC1.99 R102.1 | length 15.8
  Component Side w0.152: v1(353.619,45.187) 353.619,44.11 357.048,40.681 R102.1@357.048,39.688 ; v1(356.54,47.879) 356.709,48.049 IC1.99@359.353,48.049
  Solder Side w0.152: v1(353.619,45.187) 353.39,45.187 353.212,45.009 352.958,45.263 352.958,46.087 354.751,47.879 v1(356.54,47.879)
LED3: IC1.111 R103.1 | length 9.4
  Component Side w0.152: R103.1@359.613,39.764 360.394,38.983 360.394,37.46 361.045,36.809 361.483,36.809 362.682,38.008 362.682,38.74 362.303,39.119 IC1.111@362.303,41.599
MEAS_I_P6V_1: C44_1.1 IC9_1.11 R53_1.2 | length 4.1
  Component Side w0.254: R53_1.2@322.94,32.96 322.788,33.112 322.788,34.04 323.619,34.871 C44_1.1@323.619,35.335 ; C44_1.1@323.847,35.513 323.898,35.564 IC9_1.11@325.097,35.564
MEAS_I_P6V_2: C44_2.1 IC9_2.11 R53_2.2 | length 4.1
  Component Side w0.254: R53_2.2@279.94,32.96 279.788,33.112 279.788,34.04 280.619,34.871 C44_2.1@280.619,35.335 ; C44_2.1@280.847,35.513 280.898,35.564 IC9_2.11@282.097,35.564
MEAS_I_P6V_3: C44_3.1 IC9_3.11 R53_3.2 | length 4.1
  Component Side w0.254: R53_3.2@237.94,32.96 237.788,33.112 237.788,34.04 238.619,34.871 C44_3.1@238.619,35.335 ; C44_3.1@238.847,35.513 238.898,35.564 IC9_3.11@240.097,35.564
MEAS_I_P6V_4: C44_4.1 IC9_4.11 R53_4.2 | length 4.1
  Component Side w0.254: R53_4.2@195.94,32.96 195.788,33.112 195.788,34.04 196.619,34.871 C44_4.1@196.619,35.335 ; C44_4.1@196.847,35.513 196.898,35.564 IC9_4.11@198.097,35.564
MEAS_I_P6V_5: C44_5.1 IC9_5.11 R53_5.2 | length 4.1
  Component Side w0.254: R53_5.2@153.94,32.96 153.788,33.112 153.788,34.04 154.619,34.871 C44_5.1@154.619,35.335 ; C44_5.1@154.847,35.513 154.898,35.564 IC9_5.11@156.097,35.564
MEAS_I_P6V_6: C44_6.1 IC9_6.11 R53_6.2 | length 4.1
  Component Side w0.254: R53_6.2@111.94,32.96 111.788,33.112 111.788,34.04 112.619,34.871 C44_6.1@112.619,35.335 ; C44_6.1@112.847,35.513 112.898,35.564 IC9_6.11@114.097,35.564
MEAS_I_P6V_7: C44_7.1 IC9_7.11 R53_7.2 | length 4.1
  Component Side w0.254: R53_7.2@69.94,32.96 69.788,33.112 69.788,34.04 70.619,34.871 C44_7.1@70.619,35.335 ; C44_7.1@70.847,35.513 70.898,35.564 IC9_7.11@72.097,35.564
MEAS_I_P6V_8: C44_8.1 IC9_8.11 R53_8.2 | length 4.1
  Component Side w0.254: R53_8.2@27.94,32.931 27.788,33.083 27.788,34.011 28.619,34.842 C44_8.1@28.619,35.306 ; C44_8.1@28.847,35.484 28.898,35.535 IC9_8.11@30.097,35.535
MEAS_I_P29V_1: C39_1.1 IC9_1.12 R45_1.2 | length 34.1
  Component Side w0.254: R45_1.2@308.638,18.96 311.167,18.96 311.257,19.05 v1(311.351,19.05) ; v1(314.99,19.003) 314.99,19.769 312.293,22.467 312.293,25.882 312.832,26.422 312.832,29.743 313.24,30.151 315.622,30.151 316.251,30.78 317.784,30.78 v1(317.83,30.734) ; v1(319.559,31.045) 319.627,31.113 320.443,31.113 320.726,31.396 320.726,31.655 C39_1.1@320.901,31.83 321.302,32.231 322.164,32.231 ; 322.165,32.231 323.378,32.231 323.61,32.462 323.61,34.107 324.567,35.064 IC9_1.12@325.097,35.064
  Solder Side w0.254: v1(311.351,19.05) 314.943,19.05 v1(314.99,19.003) ; v1(317.83,30.734) 319.248,30.734 v1(319.559,31.045)
MEAS_I_P29V_2: C39_2.1 IC9_2.12 R45_2.2 | length 34.4
  Component Side w0.254: R45_2.2@265.638,18.96 268.167,18.96 268.257,19.05 v1(268.351,19.05) ; v1(271.99,19.003) 271.99,20.168 270.804,21.354 270.538,21.354 269.418,22.473 269.418,25.741 269.832,26.156 269.832,29.743 270.24,30.151 272.622,30.151 273.272,30.8 274.711,30.8 274.701,30.79 v1(274.701,30.734) ; v1(276.403,31.166) 276.456,31.113 277.443,31.113 277.718,31.388 277.718,31.647 C39_2.1@277.901,31.83 277.901,31.947 278.221,32.267 279.11,32.267 279.146,32.231 280.378,32.231 280.61,32.462 280.61,34.135 281.539,35.064 IC9_2.12@282.097,35.064
  Solder Side w0.254: v1(268.351,19.05) 271.943,19.05 v1(271.99,19.003) ; v1(274.701,30.734) 275.971,30.734 v1(276.403,31.166)
MEAS_I_P29V_3: C39_3.1 IC9_3.12 R45_3.2 | length 34.1
  Component Side w0.254: R45_3.2@223.638,18.96 226.188,18.96 v1(226.231,19.003) ; v1(229.99,19.003) 229.115,19.878 228.744,19.878 227.381,21.241 227.381,27.305 227.832,27.756 227.832,29.743 228.24,30.151 230.622,30.151 231.251,30.78 232.694,30.78 v1(232.74,30.734) ; v1(234.633,31.067) 234.633,31.107 234.627,31.113 235.443,31.113 235.718,31.388 235.718,31.647 C39_3.1@235.901,31.83 236.302,32.231 237.164,32.231 ; 237.165,32.231 238.378,32.231 238.61,32.462 238.61,33.867 239.807,35.064 IC9_3.12@240.097,35.064
  Solder Side w0.254: v1(226.231,19.003) v1(229.99,19.003) ; v1(232.74,30.734) 234.248,30.734 234.581,31.067 v1(234.633,31.067)
MEAS_I_P29V_4: C39_4.1 IC9_4.12 R45_4.2 | length 34.1
  Component Side w0.254: R45_4.2@181.638,18.96 184.188,18.96 v1(184.231,19.003) ; v1(187.99,19.003) 187.132,19.861 186.776,19.861 185.344,21.293 185.344,26.314 185.832,26.803 185.832,29.743 186.24,30.151 188.622,30.151 189.205,30.734 v1(190.83,30.734) ; v1(192.658,31.067) 192.658,31.081 192.627,31.113 193.443,31.113 193.718,31.388 193.718,31.647 C39_4.1@193.901,31.83 194.302,32.231 195.164,32.231 ; 195.165,32.231 196.378,32.231 196.61,32.462 196.61,33.852 197.821,35.064 IC9_4.12@198.097,35.064
  Solder Side w0.254: v1(184.231,19.003) v1(187.99,19.003) ; v1(190.83,30.734) 192.248,30.734 192.581,31.067 v1(192.658,31.067)
MEAS_I_P29V_5: C39_5.1 IC9_5.12 R45_5.2 | length 34.2
  Component Side w0.254: R45_5.2@139.638,18.96 142.188,18.96 v1(142.231,19.003) ; v1(145.99,19.003) 145.101,19.892 144.811,19.892 143.508,21.195 143.508,26.83 143.832,27.154 143.832,29.743 144.24,30.151 146.622,30.151 147.272,30.8 147.948,30.8 148.091,30.658 v1(148.742,30.658) ; v1(150.559,31.045) 150.627,31.113 151.443,31.113 151.718,31.388 151.718,31.647 C39_5.1@151.901,31.83 152.302,32.231 153.164,32.231 154.378,32.231 154.61,32.462 154.61,33.852 155.821,35.064 IC9_5.12@156.097,35.064
  Solder Side w0.254: v1(142.231,19.003) v1(145.99,19.003) ; v1(148.742,30.658) 149.069,30.984 149.984,30.984 150.222,30.746 150.222,30.709 v1(150.559,31.045)
MEAS_I_P29V_6: C39_6.1 IC9_6.12 R45_6.2 | length 32.8
  Component Side w0.254: R45_6.2@97.638,18.96 100.416,18.96 v1(100.904,18.471) ; v1(102.863,20.203) 102.328,20.738 101.917,20.738 101.448,21.207 101.448,26.769 101.832,27.154 101.832,29.743 102.24,30.151 104.622,30.151 105.272,30.8 105.948,30.8 106.268,30.48 106.522,30.734 v1(106.756,30.734) ; v1(108.8,31.067) 108.672,31.067 108.627,31.113 109.443,31.113 109.718,31.388 109.718,31.647 C39_6.1@109.901,31.83 110.302,32.231 111.164,32.231 112.378,32.231 112.61,32.462 112.61,33.852 113.821,35.064 IC9_6.12@114.097,35.064
  Solder Side w0.254: v1(100.904,18.471) 101.727,19.295 102.031,19.295 102.863,20.127 v1(102.863,20.203) ; v1(106.756,30.734) 107.153,30.734 107.41,30.991 108.723,30.991 v1(108.8,31.067)
MEAS_I_P29V_7: C39_7.1 IC9_7.12 R45_7.2 | length 33.7
  Component Side w0.254: R45_7.2@55.638,18.96 58.188,18.96 v1(58.231,19.003) ; v1(61.99,19.003) 60.718,20.275 60.718,20.484 59.512,21.689 59.512,26.834 59.832,27.154 59.832,29.743 60.24,30.151 62.622,30.151 63.205,30.734 v1(64.719,30.734) ; v1(66.559,31.045) 66.627,31.113 67.443,31.113 67.718,31.388 67.718,31.647 C39_7.1@67.901,31.83 68.302,32.231 69.164,32.231 70.378,32.231 70.61,32.462 70.61,33.852 71.821,35.064 IC9_7.12@72.097,35.064
  Solder Side w0.254: v1(58.231,19.003) v1(61.99,19.003) ; v1(64.719,30.734) 64.841,30.856 66.37,30.856 v1(66.559,31.045)
MEAS_I_P29V_8: C39_8.1 IC9_8.12 R45_8.2 | length 33.7
  Component Side w0.254: R45_8.2@13.638,18.931 16.188,18.931 v1(16.231,18.974) ; v1(19.99,18.974) 17.508,21.455 17.508,26.801 17.832,27.125 17.832,29.714 18.24,30.122 20.622,30.122 21.272,30.771 22.772,30.771 v1(22.809,30.734) ; v1(24.638,31.013) 24.708,31.084 25.443,31.084 25.718,31.359 25.718,31.618 C39_8.1@25.901,31.801 26.302,32.202 27.164,32.202 ; 27.165,32.202 28.378,32.202 28.61,32.433 28.61,33.823 29.821,35.035 IC9_8.12@30.097,35.035
  Solder Side w0.254: v1(16.231,18.974) v1(19.99,18.974) ; v1(22.809,30.734) 23.207,30.734 23.422,30.95 24.574,30.95 v1(24.638,31.013)
meas_P5V0MP_1: C49_1.1 IC9_1.9 R58_1.2 R59_1.1 | length 12.6
  Component Side w0.254: C49_1.1@322.94,36.892 323.011,36.821 323.931,36.821 324.187,36.564 324.489,36.564 324.489,36.681 v1(324.566,36.757) ; v1(324.663,34.341) 324.663,34.123 324.688,34.098 324.116,33.526 324.116,30.794 324.353,30.557 326.128,30.557 326.226,30.459 326.707,30.459 326.878,30.631 328.14,30.631 R58_1.2@328.287,30.484
  Solder Side w0.254: v1(324.566,36.757) 324.688,36.635 324.663,36.609 v1(324.663,34.341)
meas_P5V0MP_2: C49_2.1 IC9_2.9 R58_2.2 R59_2.1 | length 12.8
  Component Side w0.254: C49_2.1@279.94,36.892 280.011,36.821 280.931,36.821 281.187,36.564 281.489,36.564 281.489,36.681 v1(281.566,36.757) ; v1(281.686,34.392) 281.686,34.095 281.116,33.526 281.116,30.794 281.402,30.509 281.57,30.509 281.899,30.18 283.45,30.18 283.901,30.631 285.14,30.631 R58_2.2@285.287,30.484
  Solder Side w0.254: v1(281.566,36.757) 281.686,36.637 v1(281.686,34.392)
meas_P5V0MP_3: C49_3.1 IC9_3.9 R58_3.2 R59_3.1 | length 12.9
  Component Side w0.254: C49_3.1@237.94,36.892 238.011,36.821 238.931,36.821 239.187,36.564 239.489,36.564 239.489,36.681 v1(239.566,36.757) ; v1(239.852,34.29) 239.116,33.554 239.116,30.794 239.28,30.631 239.97,30.631 240.392,30.209 241.457,30.209 241.878,30.631 243.14,30.631 R58_3.2@243.287,30.484
  Solder Side w0.254: v1(239.566,36.757) 239.852,36.471 v1(239.852,34.29)
meas_P5V0MP_4: C49_4.1 IC9_4.9 R58_4.2 R59_4.1 | length 13.2
  Component Side w0.254: C49_4.1@195.94,36.892 196.011,36.821 196.931,36.821 197.187,36.564 197.489,36.564 197.489,36.681 v1(197.566,36.757) ; v1(197.993,34.239) 197.83,34.239 197.116,33.526 197.116,30.794 197.477,30.433 198.752,30.433 198.977,30.209 199.457,30.209 199.878,30.631 201.14,30.631 R58_4.2@201.287,30.484
  Solder Side w0.254: v1(197.566,36.757) 197.993,36.33 v1(197.993,34.239)
meas_P5V0MP_5: C49_5.1 IC9_5.9 R58_5.2 R59_5.1 | length 13.1
  Component Side w0.254: C49_5.1@153.94,36.892 154.011,36.821 154.931,36.821 155.187,36.564 155.489,36.564 155.489,36.681 v1(155.566,36.757) ; v1(156.007,34.315) 155.906,34.315 155.116,33.526 155.116,30.794 155.702,30.209 157.457,30.209 157.878,30.631 159.14,30.631 R58_5.2@159.287,30.484
  Solder Side w0.254: v1(155.566,36.757) 156.007,36.316 v1(156.007,34.315)
meas_P5V0MP_6: C49_6.1 IC9_6.9 R58_6.2 R59_6.1 | length 13
  Component Side w0.254: C49_6.1@111.94,36.892 112.011,36.821 112.931,36.821 113.187,36.564 113.489,36.564 113.489,36.681 v1(113.566,36.757) ; v1(113.919,34.29) 113.881,34.29 113.116,33.526 113.116,30.794 113.297,30.613 114.605,30.613 114.943,30.275 115.568,30.275 115.924,30.631 117.14,30.631 R58_6.2@117.287,30.484
  Solder Side w0.254: v1(113.566,36.757) 113.919,36.404 v1(113.919,34.29)
meas_P5V0MP_7: C49_7.1 IC9_7.9 R58_7.2 R59_7.1 | length 13.3
  Component Side w0.254: C49_7.1@69.94,36.892 70.011,36.821 70.931,36.821 71.187,36.564 71.489,36.564 71.489,36.681 v1(71.566,36.757) ; v1(72.034,34.442) v1(72.034,34.442) 71.116,33.526 71.116,30.794 71.702,30.209 73.457,30.209 74.081,30.833 74.937,30.833 R58_7.2@75.287,30.484
  Solder Side w0.254: v1(71.566,36.757) 72.034,36.289 v1(72.034,34.442)
meas_P5V0MP_8: C49_8.1 IC9_8.9 R58_8.2 R59_8.1 | length 13.1
  Component Side w0.254: C49_8.1@27.94,36.863 28.011,36.792 28.931,36.792 29.187,36.535 29.489,36.535 29.489,36.652 v1(29.566,36.728) ; v1(29.972,34.315) 29.935,34.315 29.116,33.497 29.116,30.765 29.559,30.323 30.668,30.323 30.811,30.18 31.457,30.18 31.878,30.602 33.14,30.602 R58_8.2@33.287,30.455
  Solder Side w0.254: v1(29.566,36.728) 29.972,36.322 v1(29.972,34.315)